# KiCad board CPU2908C.kicad_pcb (continued)
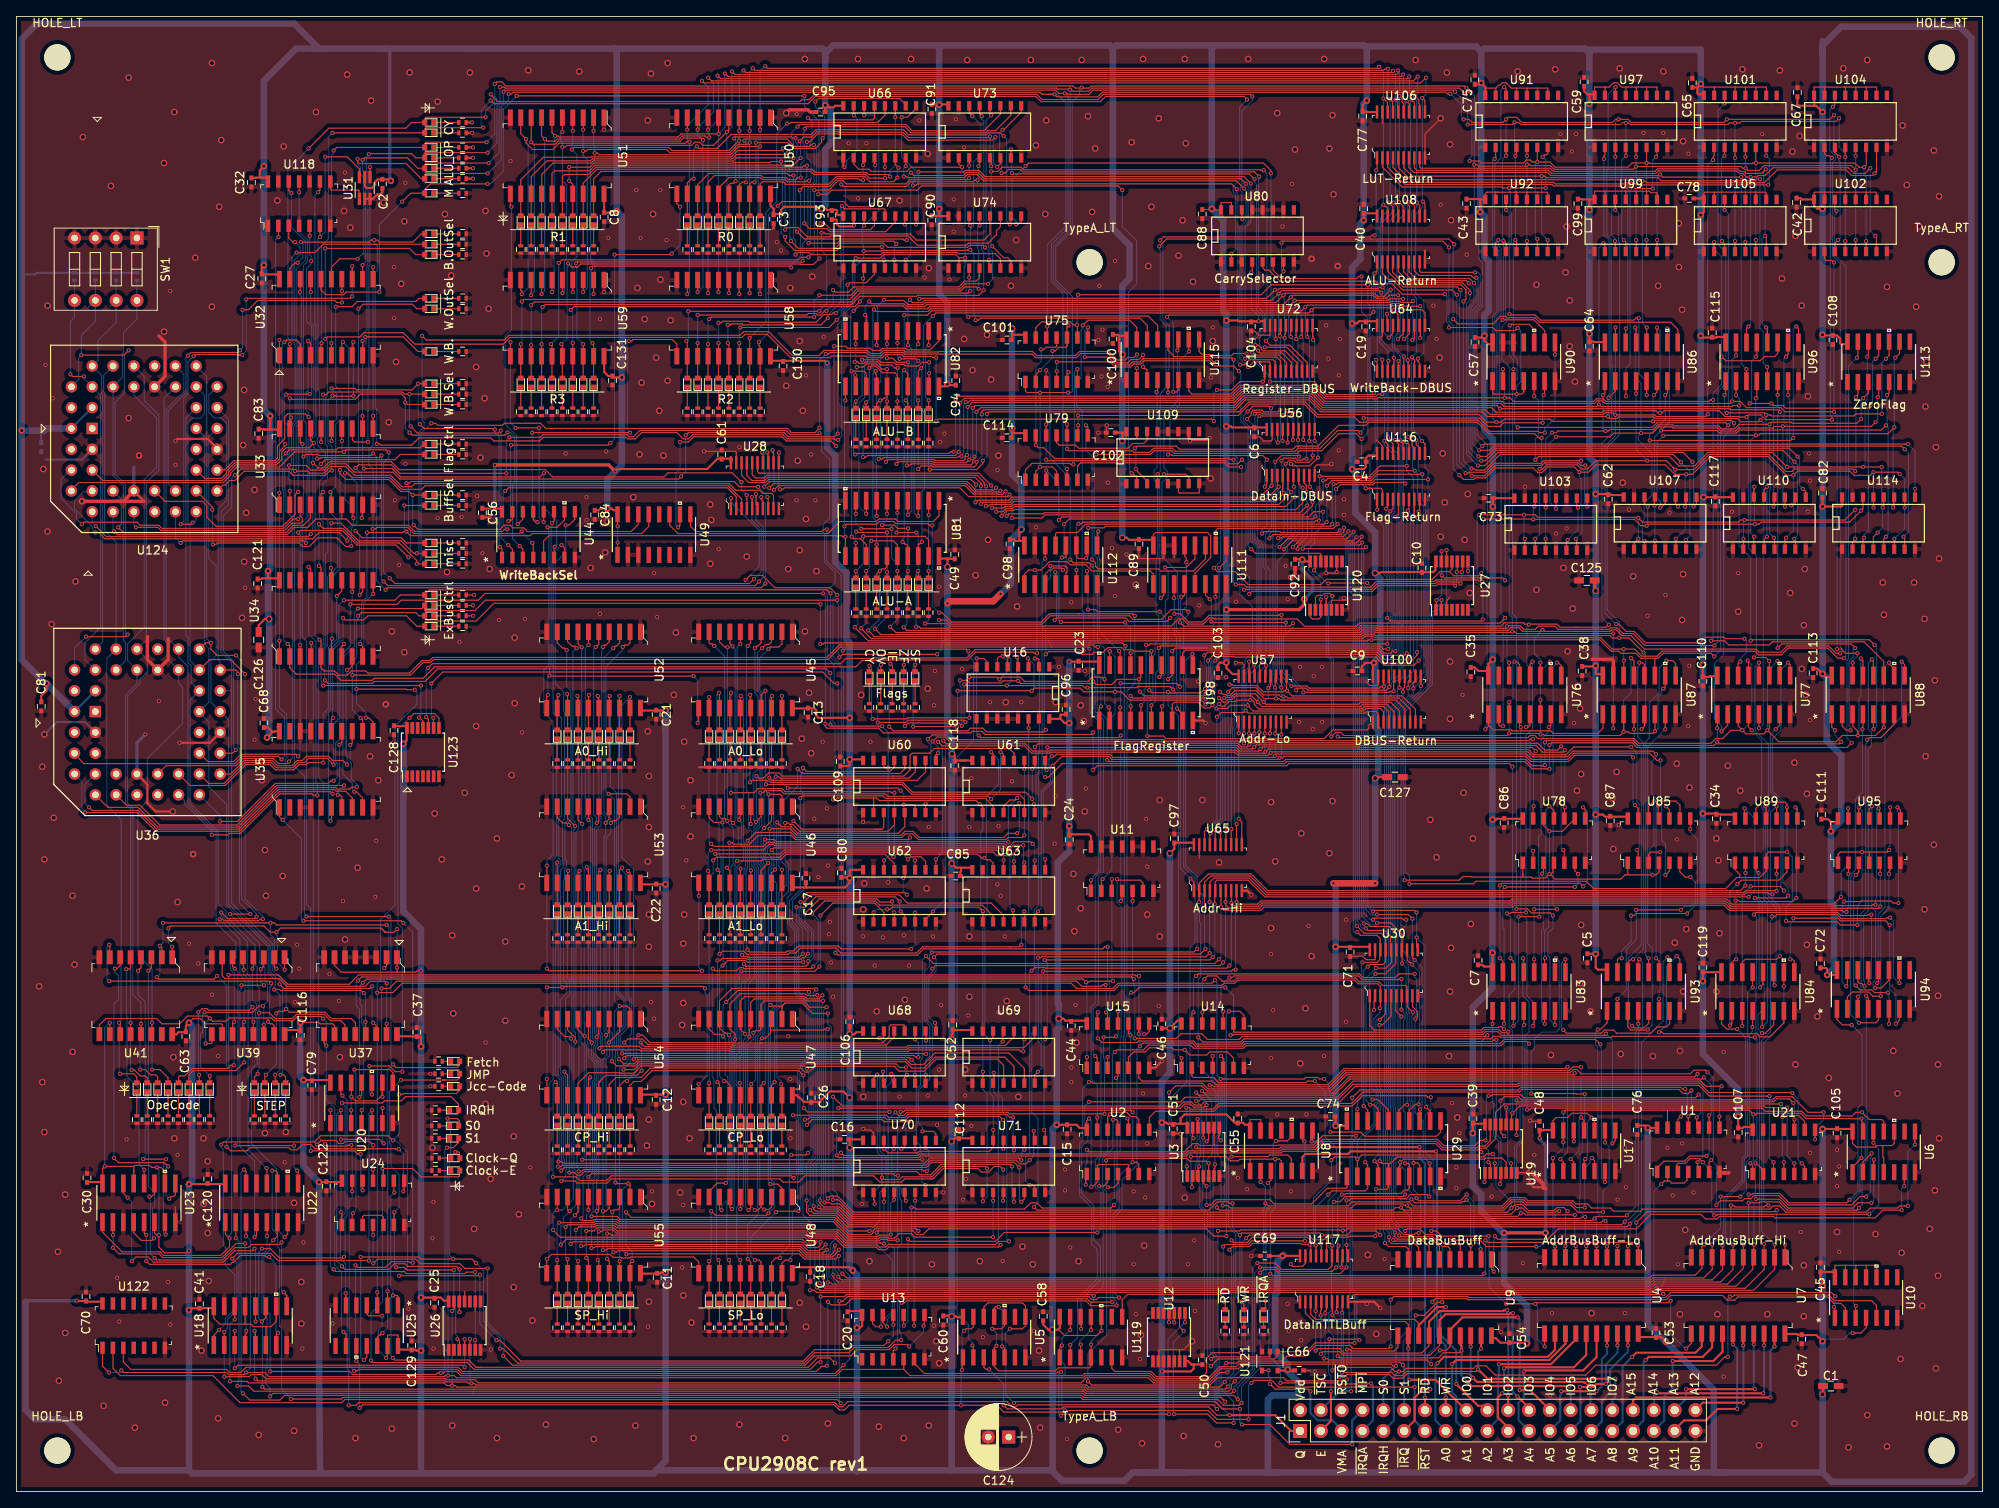
[diagram p0: board, top side]
## Routing (per net, layer and track width the routed paths; a pad name or vN(x,y) marks a point on that pad's centre or on a via; arc(x,y) is an arc through that point) (continued)
  Top w0.4: v3(157.21,108.89) 157.21,108.26 156.58,107.62 v3(147.69,107.62) ; 87.23,125.66 87.23,126.03 ; C125.1 192.65,110.04 v1(192.77,109.91) ; v2(58.4,125.28) 72.29,125.28 v2(73.09,124.47) ; v3(181.6,31.58) v3(186.64,31.58)
  Top w0.8: v2(113.65,108.39) 113.91,108.64 119.24,108.64 v2(120.13,109.53) ; v2(165.85,74.22) v2(160.77,74.22)
  Bottom w0.127: v2(46.47,63.94) v2(46.47,68.64) ; v2(11.39,57.21) 10.78,56.59 v2(10.78,39.68) ; v2(17.13,39.55) 17.38,39.3 v2(17.38,31.3) ; v2(131.19,37.2) 131.19,45.26 v2(130.92,45.52) ; v2(191.5,40.57) 191.75,40.82 191.75,45.14 v2(192.26,45.65) ; v2(119.62,17.79) 119.62,19.35 v2(119.11,19.87) ; v2(132.45,19.61) 131.18,18.34 v2(131.18,17.95) ; v2(44.64,21.45) 44.64,20.2 44.18,19.73 44.18,17.27 v2(45.13,16.31) ; v2(19.02,66.48) 18.55,66.95 v2(18.55,68.74) ; 49.39,54.66 v3(49.39,54.28) ; 134.99,128.45 v1(134.99,128.23) ; v2(32.75,63.68) 31.86,64.57 31.86,67.77 31.74,67.9 v2(31.74,68.25) ; v2(73.39,115.81) v2(73.39,117.78) ; v3(220.46,18.34) 220.71,18.6 223.03,18.6 223.79,19.36 v2(224.14,19.36) ; v2(150.73,148.77) 150.73,144.33 151.62,143.44 v2(151.62,142.8)
  Bottom w0.25: U124.43 U124.44 ; 205.85,121.34 v3(205.93,121.34) ; 165.85,101.27 v3(165.7,101.13) ; v3(3.67,98.61) 3.67,98.48 3.78,98.37 3.41,98.74 3.41,98.82 ; 98.73,169.66 v3(98.73,169.16) ; 34.66,57.33 v3(34.66,57.26) ; 101.71,49.08 v1(101.71,48.06) ; 147.69,143.06 v3(147.69,142.9) ; 1.26,23.3 1.13,23.17 ; R150.1 2.47,148.71 2.27,148.52 0.88,148.52 ; 139.94,14.79 v2(139.82,14.66) ; v1(114.2,90.01) 114.16,90.06 114.16,90.1 ; 114.16,76.13 v1(114.16,76.64) ; 185.94,43.13 185.94,43.12 v2(185.93,43.12) ; 155.18,14.66 v3(155.18,14.89) ; U36.44 U36.43 ; 2.78,129.47 3.03,129.21 C28.1
  Bottom w0.4: 186.68,34.98 186.68,32.18 186.64,32.14 v3(186.64,31.58) ; 186.68,34.98 186.68,34.6 ; 186.68,34.98 186.68,42.22 185.93,42.97 v2(185.93,43.12) ; v2(58.4,125.28) 58.4,120.32 v2(58.03,119.94) ; v3(45.71,159.95) 45.58,160.07 45.58,175.7 45.2,176.08 44.94,176.08 ; v2(7.35,23.3) 1.51,23.3 ; v3(156.96,113.72) 156.96,112.45 158.23,111.18 158.23,109.91 v3(157.21,108.89)
  Bottom w0.8: 112.64,176.2 112.89,176.46 133.46,176.46 133.84,176.08 ; 112.64,176.2 v3(112.64,169.22) 112.64,146.1 113.62,145.12 v3(113.62,135.15) ; 112.64,176.2 112.38,176.46 99.68,176.46 98.73,175.51 98.73,175 ; 178.8,175.7 v3(178.8,171.89) 178.8,161.34 178.68,161.22 v3(178.68,156.14) 179.18,155.63 179.18,150.68 179.69,150.17 179.69,144.07 179.18,143.56 v3(179.18,141.03) 179.18,129.47 180.22,128.43 v3(180.22,120.18) 180.22,101.55 v3(180.2,101.53) 180.17,101.5 v3(180.17,82) v3(180.17,65.75) 180.17,61.49 177.77,59.09 v3(177.77,43.73) 177.77,37.28 178.8,36.25 178.8,34.22 181.6,31.42 181.6,25.46 184.39,22.66 v3(184.39,18.09) ; 178.8,175.7 179.18,176.08 191.5,176.08 192.01,175.57 ; 178.8,175.7 178.17,176.33 164.58,176.33 164.45,176.46 ; 220.46,2.34 v1(220.46,11.87) v3(220.46,18.34) v3(220.46,44.25) ; 220.46,2.34 208.77,2.34 ; 220.46,2.34 221.6,1.2 237.73,1.2 238.62,2.09 238.62,177.35 237.22,178.74 222.74,178.74 220.46,176.46 v3(220.46,168.33) v3(220.46,156.52) v3(220.46,141.15) v3(220.46,99.78) 220.97,99.28 220.97,91.62 222.74,89.84 222.74,81.84 v3(221.47,80.57) 221.47,71.94 221.85,71.56 221.85,63.88 v3(221.02,63.05) ; 208.77,2.34 154.16,2.34 ; 208.77,2.34 207.25,2.34 207.19,2.4 207.19,12.44 v3(201.34,18.28) 199.12,20.5 v3(199.12,44.38) ; 154.16,2.34 137.02,2.34 ; 154.16,2.34 152.77,2.34 152.77,11.23 153.28,11.74 156.45,11.74 156.45,13.39 155.18,14.66 155.18,15.55 153.66,17.07 153.66,24.06 153.91,24.31 153.91,28.12 154.67,28.88 ; 98.73,175 v3(98.73,169.16) 99.4,168.49 99.4,164.52 98.73,163.85 98.73,156.96 ; 98.73,175 98.73,175.76 98.41,176.08 73.01,176.08 ; 133.84,176.08 133.84,154.11 135.88,152.07 135.88,148.01 134.99,147.12 v1(134.99,138.74) v1(134.99,116.39) ; 133.84,176.08 134.22,176.46 146.29,176.46 ; 137.02,2.34 142.99,2.34 ; 137.02,2.34 136.26,2.34 135.24,1.32 127.62,1.32 126.35,2.59 ; 47.23,84.89 47.23,90.61 ; 47.23,90.61 v3(47.23,91.24) ; 47.23,90.61 47.23,70.79 49.39,68.64 v3(49.39,54.28) ; 34.66,57.33 34.64,57.31 34.64,50.62 v3(35.04,50.22) 35.04,39.68 v3(36.94,37.77) 36.94,14.53 37.07,2.47 ; v1(140.8,77.88) v1(140.8,56.54) 140.8,51.08 139.82,50.1 v3(139.82,45.02) v2(139.82,14.66) 139.82,2.34 ; 37.07,2.47 37.32,2.21 49.39,2.21 ; 37.07,2.47 36.82,2.21 21.45,2.21 21.07,2.59 ; U36.44 v3(3.67,98.61) ; 98.73,156.96 98.67,156.9 ; 98.73,156.96 98.73,156.93 v3(98.28,156.49) ; 126.35,2.59 114.03,2.59 ; 126.35,2.59 126.48,2.72 v1(126.48,19.74) 126.48,44.25 v3(126.99,44.76) 126.99,56.32 127.24,56.57 v1(127.24,57.71) ; 114.03,2.59 114.16,2.72 v1(114.16,21.39) v1(114.16,42.73) v1(114.16,55.17) 114.16,91.88 113.65,92.38 v2(113.65,108.39) v1(113.65,112.83) ; 114.03,2.59 102.73,2.59 ; 192.01,175.57 192.39,175.95 205.6,175.95 v3(205.6,171.76) v3(205.6,155.76) v3(205.6,141.03) 205.6,125.84 205.93,125.52 205.93,121.41 205.85,121.34 v3(205.85,100.89) v3(205.85,82.73) v3(205.85,62.28) 205.85,53.4 210.17,49.08 v3(210.17,45.78) ; 192.01,175.57 v3(192.01,169.35) v3(192.01,156.39) v3(192.01,141.28) 192.01,126.17 192.77,125.4 v3(192.77,121.72) v1(192.77,109.91) v3(192.77,100.77) v3(192.77,82.61) v3(192.77,65.59) ; 192.01,175.57 192.01,175.95 ; v3(147.69,101.15) v3(147.69,107.62) v3(147.69,129.98) v3(147.69,142.9) 147.69,143.69 147.31,144.07 147.31,155.12 v3(145.91,156.52) 145.91,176.08 146.29,176.46 ; v1(121.53,141.91) v1(121.53,129.72) 121.53,124.13 122.67,122.99 v1(122.67,117.4) 121.4,116.13 121.4,110.8 v2(120.13,109.53) ; 3.78,98.37 0.65,101.5 0.65,129.5 ; 49.39,54.66 v3(49.39,23.68) v3(49.39,17.2) 49.39,2.21 ; 127.17,57.71 v1(127.24,57.71) ; v1(127.24,57.71) 127.24,59.49 127.11,59.62 127.11,76.76 128.51,78.16 v3(128.51,81.21) v3(128.51,93.78) v2(128.51,101.27) ; 73.01,176.08 34.15,176.08 30.21,172.14 v3(30.21,161.73) v3(30.21,149.66) 30.21,132.01 v3(30.97,131.25) 30.97,112.58 v3(30.72,112.32) 30.72,106.61 ; 73.01,176.08 73.28,175.81 v3(73.28,156.25) 73.9,155.63 v3(73.9,135.94) 73.9,125.28 v2(73.09,124.47) 72.12,123.5 72.12,119.85 ; 146.29,176.46 164.45,176.46 ; v3(21.07,57.21) 21.45,56.82 21.45,37.9 v3(21.07,37.52) v3(21.07,22.15) 21.07,2.59 ; 21.07,2.59 12.18,2.59 10.02,4.75 ; v3(161.02,44.63) v3(161.02,66.48) 161.02,73.97 v2(160.77,74.22) ; 164.45,176.46 164.83,176.08 v3(164.83,169.73) 164.45,169.35 v3(164.45,155.12) 164.05,154.72 164.05,150.4 163.04,149.39 v3(163.04,142.53) v3(163.04,124.75) 163.44,124.36 163.44,119.44 165.85,117.02 v1(165.85,112.07) 166.48,111.43 166.48,101.91 165.85,101.27 165.85,93.32 166.25,92.92 166.25,87.45 v1(165.85,87.05) v2(165.85,74.22) ; v2(98.96,137.72) 98.96,127.41 99.94,126.43 99.94,113.47 101.33,112.07 101.33,103.94 101.71,103.56 v3(101.71,94.42) v3(101.71,89.34) v3(101.71,74.86) v1(101.71,55.81) v1(101.71,41.97) 101.71,27.36 v3(102.09,26.98) 102.6,26.47 v3(102.6,19.99) 102.6,2.47 102.73,2.59 ; 79.23,92.89 79.23,93.53 ; 79.23,92.89 v3(79.23,95.31) ; 79.23,92.89 v3(79.23,74.1) v3(79.23,48.44) v3(79.23,26.72) 79.23,3.74 78.09,2.59 102.73,2.59 ; 49.39,2.21 77.84,2.21 ; v3(30.59,92) 30.85,92.26 v1(30.85,106.48) ; 10.02,4.75 5.95,8.82 2.27,8.82 1.13,9.96 1.13,23.17 ; 10.02,4.75 8.59,6.18 ; 36.94,176.08 33.9,179.12 2.53,179.12 0.65,177.25 v3(0.65,129.47) 3.41,129.47 3.67,129.72 6.59,129.72 ; 220.46,176.97 220.46,175.31
  vias: v3(112.64,156.52)
GND: length 219.1
  Top w0.127: 159.88,113.08 v2(159.88,112.07) 161.15,112.07 v2(161.15,112.2) 161.16,112.21 U120.9 ; 162.55,107.62 162.55,108.64 162.42,108.76 160.64,108.76 160.51,108.64 U120.5 ; U100.19 166.22,98.47 ; 166.22,98.47 166.22,98.56 ; 166.22,98.47 166.12,98.37 165.2,98.37 164.71,98.86 ; v2(102.22,167.95) 102.2,167.97 U66.15 ; 56.01,23.06 56.01,22.03 ; U23.8 19.4,34.71 19.38,34.73 ; C6.2 151.75,128.71 152.26,128.2 153.15,128.2 153.28,128.32 153.28,129.21 ; U65.19 144.38,78 144.38,78 144.38,77.27 ; v2(148.83,101.15) 149.59,101.15 149.85,100.89 149.85,100 ; 104.63,43.11 104.63,43.74 104.25,44.12 103.49,44.12 v2(103.36,44.25) ; 141.97,17.33 141.97,16.31 ; 141.97,17.33 142.48,17.33 v1(143.5,18.34) ; 141.97,17.33 139.43,17.33 139.43,16.44 ; C104.2 151.11,141.62 151.62,141.11 152.97,141.11 153.02,141.15 153.02,141.79 ; 133.08,129.84 133.04,129.8 C102.2 ; 162.8,65.33 164.31,65.33 164.74,64.9 165.85,64.9 165.85,65.17 165.84,65.17 U30.19 ; 54.72,24.44 54.72,23.68 ; 166.01,128.32 166.73,127.61 U116.19 ; 185.03,45.14 185.07,45.18 C48.2 ; v2(83.93,126.93) 87.74,126.93 87.87,126.8 87.87,125.66 ; 182.72,140.21 182.72,140.14 ; U109.6 141.83,121.99 141.97,121.85 144.38,121.85 144.38,122.86 ; U106.10 171.93,165.65 v1(173.85,167.57) ; v2(160.51,125.4) 160.39,125.28 158.74,125.28 158.47,125.01 U56.10 ; U117.19 157.33,27.84 156.99,27.49 155.81,27.49 v2(155.56,27.74) ; R24.1 v2(55.87,109.4) ; C66.2 157.85,14.79 157.97,14.66 ; 140.07,114.61 140.07,113.97 139.94,113.85 137.02,113.85 137.02,115.12 ; 183.25,38.92 184.26,38.92 184.64,39.3 184.64,37.65 185.15,37.14 ; 141.31,113.97 141.32,113.99 U111.14 ; R26.1 v2(55.74,106.86) ; U106.19 166.73,166.94 ; R25.1 v2(55.74,108.13) ; 166.48,140.77 166.74,141.03 166.74,141.37 166.73,141.37 U64.19 ; U108.19 166.73,154.24 ; U100.10 171.42,93.9 ; 174.99,109.15 174.61,108.77 174.61,108.48 174.58,108.45 U27.3 ; 161.78,108.13 161.71,108.21
  Top w0.25: R4.1 v2(55.74,162.74) ; U66.1 100.94,161.74 v2(101.08,161.6) ; R1.1 v2(55.61,167.06) ; 144.9,94.03 144.84,94.09 U98.10 ; 144.9,94.03 144.89,94.04 ; 144.9,94.03 v2(145.15,93.78) ; v2(19.92,91.37) 23.61,91.37 U36.22 ; 186.17,37.14 186.36,36.94 186.74,36.94 186.74,36.98 185.03,38.69 185.03,39.04 186.41,37.65 186.41,37.14 185.15,37.14 ; 146.93,38.54 147.05,38.41 ; C2.2 44.67,158.57 44.4,158.3 44.05,158.3 43.49,157.73 U31.2 ; v2(145.66,128.58) 145.4,128.32 143.37,128.32 143.1,128.59 U109.10 ; U67.15 102.2,154.51 v2(102.22,154.49) 102.1,154.37 100.44,154.37 100.12,154.68 100.12,155.12 100.04,155.21 C93.2 ; 24.62,127.18 23.36,128.45 19.67,128.45 v2(19.42,128.2) ; v2(139.81,52.51) 139.02,51.71 U15.7 ; v1(19.11,82.99) 17,82.99 15.99,84 15.99,86.29 U36.12 ; 162.53,23.16 165.73,23.16 v2(166.48,22.41) ; 57.9,118.8 57.81,118.89 C56.2 ; R5.1 v2(55.74,161.47) ; R65.1 83.36,88.38 ; 158.47,124.13 U56.10 ; R2.1 v2(55.61,165.79) ; U124.12 15.61,120.83 ; U65.10 150.23,73.33 v2(150.74,72.83) ; 92.31,154.04 92.43,154.15 C3.2 ; U108.10 171.93,151.43 ; C51.2 142.01,43.7 v2(142.1,43.62) ; R6.1 v2(55.74,160.2) ; R3.1 v2(55.74,164.01)
  Top w0.4: 208.63,38.88 207.74,38.88 209,38.88 209.03,38.92 ; 12.3,120.83 13.07,120.83 U124.12 ; 12.3,120.83 15.61,120.83 ; 12.3,120.83 v3(7.99,120.83) ; 192.35,101.53 192.39,101.57 194.77,101.57 194.93,101.4 194.93,100.39 ; v2(155.43,111.56) 155.67,111.56 156.07,111.96 C92.2 ; 18.53,104.07 18.53,101.53 U36.34 15.99,101.53 15.99,104.32 ; 97.39,168.33 96.89,168.33 96.61,168.6 94.37,168.6 v1(93.97,168.2) ; 17.38,141.03 18.15,140.26 18.15,136.07 U124.34
  Bottom w0.127: v2(101.08,161.6) 101.33,161.85 101.33,162.36 102.6,163.63 102.6,167.57 v2(102.22,167.95)
  Bottom w0.25: 6.84,125.91 6.59,125.91 ; 6.59,125.91 7.99,125.91 9.13,127.06 ; 6.59,125.91 3.54,125.91 ; v1(3.41,92.38) 4.94,93.91 8.37,93.91 U36.3
  Bottom w0.4: U124.12 14.34,125.02 ; v2(15.73,92.38) 14.72,91.37 U36.12 ; 155.68,111.31 v2(155.43,111.56)
  vias: v1(2.78,61.65) v1(3.16,88.45) v1(3.16,49.97) v1(3.29,124.77) v1(3.41,77.14) v1(3.41,43.87) v1(3.8,144.71) v1(3.8,117.15) v1(4.3,105.85) v1(4.56,82.22) v1(5.07,29.26) v1(5.19,13.52) v1(5.95,36.25) v1(5.95,19.36) v1(6.84,72.7) v1(6.84,53.65) v1(7.1,64.32) v1(7.23,111.05) v1(8.11,165.28) v1(10.65,10.47) v1(11.54,159.31) v1(13.7,172.52) v1(13.7,130.99) v1(14.46,7.8) v1(18.02,162.11) v1(18.02,141.53) v1(18.15,10.85) v1(19.16,53.01) v1(19.29,168.33) v1(19.29,43.11) v1(19.67,71.94) v1(21.83,150.55) v1(22.59,17.2) v1(22.85,43.11) v1(22.85,35.11) v1(23.35,40.31) v1(23.35,31.55) v1(23.48,25.71) v1(23.86,174.3) v1(23.86,144.58) v1(24.62,8.94) v1(24.75,156.77) v1(25.01,164.9) v1(27.55,106.61) v1(27.67,127.69) v1(27.8,134.42) v1(27.8,113.47) v1(28.05,119.44) v1(29.07,122.23) v1(29.58,6.91) v1(29.96,86.8) v1(30.34,78.29) v1(30.34,43.74) v1(30.47,72.7) v1(31.86,157.53) v1(32.5,75.11) v1(32.62,164.14) v1(32.88,43.87) v1(33.9,35.23) v1(33.9,7.42) v1(34.78,25.58) v1(34.78,20.5) v1(36.56,168.33) v1(39.48,53.01) v1(39.99,156.26) v1(40.12,67.36) v1(40.37,172.9) v1(40.75,154.23) v1(41.39,6.53) v1(41.64,76.13) v1(43.17,89.72) v1(43.29,169.73) v1(44.18,86.8) v1(44.82,157.28) v1(45.45,130.48) v1(45.83,104.96) v1(45.83,7.68) v1(46.34,137.85) v1(46.98,147.38) v1(47.36,155) v1(47.36,102.42) v1(47.99,173.16) v1(50.79,41.97) v1(51.04,82.73) v1(51.42,169.6) v1(51.93,77.14) v1(52.31,155.88) v1(52.56,112.2) v1(53.07,148.39) v1(53.2,67.87) v1(53.2,8.06) v1(53.33,58.35) v1(54.72,85.27) v1(55.36,173.16) v1(55.87,32.06) v1(56.12,137.22) v1(56.12,93.4) v1(56.12,73.59) v1(56.63,126.17) v1(57.14,133.41) v1(57.26,156.26) v1(57.26,47.3) v1(57.39,151.06) v1(57.64,144.33) v1(57.77,112.58) v1(57.9,38.16) v1(58.66,79.68) v1(58.66,6.53) v1(59.68,67.11) v1(59.68,57.46) v1(60.44,87.43) v1(60.69,43.36) v1(60.69,24.95) v1(60.82,104.19) v1(60.82,96.19) v1(61.33,33.84) v1(61.45,49.59) v1(61.71,73.84) v1(62.47,173.41) v1(62.98,20.88) v1(64.63,8.18) v1(68.69,173.28) v1(70.09,112.7) v1(70.47,6.41) v1(71.87,114.61) v1(72.12,118.42) v1(75.3,121.34) v1(75.55,8.06) v1(75.81,146.87) v1(76.06,126.55) v1(76.31,135.31) v1(76.69,143.06) v1(76.95,42.22) v1(77.08,167.31) v1(77.08,92.77) v1(77.08,76.89) v1(77.2,87.3) v1(77.2,81.08) v1(77.2,70.41) v1(77.2,66.48) v1(77.2,45.39) v1(77.2,23.17) v1(77.46,173.03) v1(77.58,35.11) v1(77.71,155.88) v1(78.09,138.36) v1(78.47,131.88) v1(78.6,147.88) v1(78.98,126.42) v1(79.49,174.3) v1(79.49,135.56) v1(79.87,142.93) v1(80.25,97.21) v1(80.5,104.83) v1(81.01,36.5) v1(81.27,56.95) v1(81.39,66.86) v1(81.39,59.62) v1(81.39,47.55) v1(81.39,23.93) v1(81.52,91.5) v1(81.52,70.41) v1(82.16,43.11) v1(82.28,86.8) v1(82.28,79.94) v1(82.41,20.63) v1(82.66,6.53) v1(84.69,120.45) v1(84.69,113.21) v1(84.82,118.55) v1(88.25,8.18) v1(89.14,114.1) v1(93.84,6.53) v1(93.97,134.93) v1(94.22,112.58) v1(94.47,146.87) v1(95.36,125.78) v1(95.62,140.39) v1(95.62,114.86) v1(95.62,23.04) v1(95.87,91.88) v1(96,131.88) v1(96.25,174.81) v1(96.25,104.96) v1(96.38,118.67) v1(96.38,20.12) v1(96.76,97.46) v1(97.01,90.1) v1(97.14,148.26) v1(97.65,112.32) v1(99.05,8.31) v1(102.73,174.81) v1(103.11,97.21) v1(103.36,71.05) v1(103.36,48.19) v1(103.49,74.22) v1(104.13,28.12) v1(105.02,58.6) v1(105.27,7.93) v1(107.81,157.53) v1(108.32,6.53) v1(108.44,60) v1(109.21,174.81) v1(111.11,73.59) v1(111.24,163.25) v1(111.24,97.97) v1(111.36,149.28) v1(111.36,8.06) v1(111.75,27.74) v1(112.25,18.34) v1(112.64,15.68) v1(114.92,118.17) v1(115.68,140.64) v1(115.81,51.49) v1(116.06,174.68) v1(116.32,67.75) v1(116.32,60.38) v1(116.44,7.68) v1(116.7,136.83) v1(117.08,111.81) v1(117.59,28.12) v1(118.48,141.15) v1(118.6,116.13) v1(118.99,135.69) v1(119.87,126.42) v1(120.76,96.32) v1(120.89,59.87) v1(121.4,147.12) v1(122.03,152.71) v1(122.16,108) v1(122.29,48.19) v1(122.79,29.9) v1(123.81,174.68) v1(124.06,27.74) v1(124.45,164.27) v1(124.83,17.2) v1(124.95,7.8) v1(125.59,155.88) v1(125.72,167.31) v1(126.86,96.32) v1(129.02,75.37) v1(129.15,68.38) v1(129.4,54.79) v1(129.65,28.12) v1(129.91,95.94) v1(129.91,71.17) v1(130.03,174.68) v1(130.29,94.03) v1(130.41,82.99) v1(130.8,167.82) v1(131.3,156.14) v1(131.69,163.88) v1(134.48,7.55) v1(136.13,164.65) v1(136.64,110.67) v1(137.27,19.1) v1(137.4,5.9) v1(137.53,174.81) v1(137.65,30.03) v1(138.03,70.41) v1(138.16,149.53) v1(138.54,156.77) v1(139.43,167.57) v1(139.56,84.38) v1(139.56,67.75) v1(141.84,150.8) v1(142.35,155.12) v1(142.48,6.79) v1(142.61,174.81) v1(142.61,35.87) v1(142.73,164.52) v1(143.62,147.63) v1(144.77,84.38) v1(145.78,123.63) v1(146.04,140.39) v1(146.67,5.77) v1(146.8,76.76) v1(150.35,174.81) v1(153.15,84.13) v1(153.15,68.76) v1(153.66,76.89) v1(153.91,168.2) v1(156.07,163.76) v1(156.7,52.25) v1(156.83,80.32) v1(157.34,58.98) v1(158.1,65.33) v1(159.62,174.81) v1(160.26,163.88) v1(160.26,77.91) v1(160.64,167.95) v1(160.64,84.26) v1(160.77,158.3) v1(164.96,28.88) v1(165.97,19.23) v1(170.8,174.68) v1(172.58,81.97) v1(173.34,77.4) v1(173.72,138.36) v1(173.85,116.51) v1(174.1,126.67) v1(174.36,120.7) v1(174.61,173.16) v1(174.87,53.14) v1(174.99,164.39) v1(174.99,101.27) v1(174.99,94.29) v1(174.99,61.01) v1(175.12,155.12) v1(175.12,66.35) v1(175.88,45.65) v1(176.64,85.27) v1(176.77,116.13) v1(177.15,121.72) v1(177.41,109.66) v1(177.53,69.27) v1(177.79,79.68) v1(183.25,173.28) v1(185.53,147.25) v1(185.53,110.04) v1(187.31,53.27) v1(187.82,173.54) v1(188.84,112.7) v1(189.09,148.77) v1(189.22,154.36) v1(189.34,102.54) v1(189.6,145.34) v1(189.6,139.75) v1(189.98,107.75) v1(190.23,135.44) v1(190.49,98.23) v1(190.49,85.53) v1(190.87,95.56) v1(190.87,62.03) v1(190.99,87.56) v1(190.99,69.14) v1(192.14,58.6) v1(192.26,21.77) v1(194.8,84.64) v1(194.93,78.41) v1(195.31,87.81) v1(195.69,173.66) v1(195.82,53.4) v1(196.07,123.12) v1(197.34,111.69) v1(199.76,53.14) v1(200.39,147.12) v1(201.03,173.28) v1(202.42,66.98) v1(202.68,88.83) v1(202.93,154.74) v1(202.93,149.41) v1(203.06,53.78) v1(203.06,21.65) v1(203.31,144.2) v1(203.31,106.35) v1(203.44,164.77) v1(203.44,111.94) v1(203.44,61.01) v1(203.69,31.93) v1(203.82,68.64) v1(204.2,96.7) v1(204.2,85.91) v1(207.5,79.68) v1(207.5,61.01) v1(207.63,21.65) v1(207.76,77.02) v1(207.88,68.13) v1(208.9,88.57) v1(210.17,107.37) v1(210.43,85.53) v1(210.68,173.54) v1(212.71,5.64) v1(213.73,21.65) v1(215.25,173.41) v1(215.5,148.01) v1(216.52,109.66) v1(216.78,163.5) v1(217.03,88.95) v1(217.03,8.31) v1(217.16,153.22) v1(217.16,52.12) v1(217.41,15.17) v1(217.66,165.41) v1(217.92,144.71) v1(217.92,100.39) v1(218.17,105.72) v1(218.17,27.61) v1(218.17,21.39) v1(218.3,112.58) v1(218.43,97.21) v1(218.55,85.14) v1(218.55,66.73) v1(218.68,133.66) v1(219.82,57.97) v1(221.22,50.47) v1(222.24,31.68) v1(223,173.66) v1(223.63,5.39) v1(225.92,174.68) v1(225.92,9.33) v1(226.94,31.42) v1(227.82,110.93) v1(227.95,106.99) v1(228.33,146.99) v1(228.33,5.52) v1(229.09,53.78) v1(229.6,48.57) v1(229.98,16.18) v1(230.11,29.14) v1(230.24,166.68) v1(230.75,159.44) v1(231.63,110.93) v1(231.89,144.58) v1(232.27,154.36) v1(232.65,22.66) v1(232.9,106.48) v1(232.9,71.05) v1(233.03,132.39) v1(233.03,89.72) v1(233.16,137.85) v1(233.54,32.06) v1(234.05,163.63) v1(234.05,78.92) v1(234.17,98.99) v1(234.17,36.76) v1(234.3,127.44) v1(234.3,15.04) v1(234.56,60.51) v1(234.56,52.12) v1(234.56,26.34) v1(234.68,158.04) v1(234.68,113.85) v1(234.68,43.11) v2(3.54,137.47) v2(4.43,133.41) v2(12.3,26.09) v2(12.56,20.76) v2(13.45,42.98) v2(17.38,96.45) v2(18.53,25.58) v2(18.78,146.49) v2(18.78,20.38) v2(19.42,125.28) v2(19.67,41.08) v2(21.07,66.86) v2(22.21,64.44) v2(23.86,60.63) v2(24.62,53.14) v2(27.93,110.29) v2(29.07,91.75) v2(29.2,96.7) v2(32.75,40.19) v2(34.02,59.75) v2(34.28,66.73) v2(34.53,63.81) v2(34.91,17.45) v2(35.04,30.41) v2(38.21,63.17) v2(38.59,20.5) v2(39.36,78.41) v2(39.36,59.87) v2(39.86,72.06) v2(40.12,160.96) v2(43.8,72.57) v2(43.93,79.43) v2(46.09,149.41) v2(46.09,143.18) v2(46.21,120.96) v2(46.72,113.08) v2(47.48,159.69) v2(47.48,125.4) v2(47.87,22.28) v2(50.53,50.98) v2(50.53,49.46) v2(50.79,30.92) v2(50.91,35.36) v2(50.91,17.45) v2(51.17,24.82) v2(51.29,19.1) v2(51.42,118.8) v2(54.09,103.69) v2(54.34,118.93) v2(56.25,121.47) v2(56.88,114.48) v2(57.26,54.79) v2(57.9,17.33) v2(58.91,106.35) v2(60.31,162.36) v2(61.71,92.64) v2(62.09,106.48) v2(62.72,39.55) v2(62.98,112.2) v2(67.04,126.67) v2(69.58,121.34) v2(69.58,118.55) v2(71.23,143.06) v2(71.23,107.12) v2(71.74,166.17) v2(71.74,146.36) v2(72,126.93) v2(72.25,152.96) v2(75.68,158.81) v2(76.19,152.96) v2(77.08,20.12) v2(77.46,59.75) v2(77.58,36.63) v2(77.84,112.07) v2(77.84,57.71) v2(78.22,106.73) v2(78.6,158.81) v2(79.36,152.71) v2(81.27,27.36) v2(81.39,83.49) v2(81.39,34.98) v2(81.77,77.02) v2(85.71,114.99) v2(88.25,127.44) v2(92.82,152.45) v2(93.33,151.44) v2(94.22,55.55) v2(94.47,50.35) v2(94.47,43.11) v2(95.24,168.08) v2(95.24,120.96) v2(96.38,136.2) v2(97.01,126.55) v2(97.39,82.1) v2(97.52,120.96) v2(97.9,74.98) v2(98.41,91.5) v2(98.54,140.9) v2(98.92,83.37) v2(99.05,76.38) v2(99.17,68) v2(99.3,69.52) v2(99.43,64.57) v2(99.68,60.38) v2(101.59,164.52) v2(102.73,157.79) v2(103.24,35.11) v2(103.36,81.72) v2(103.36,67.75) v2(103.75,164.52) v2(104.25,91.5) v2(104.76,64.19) v2(105.78,67.62) v2(106.41,74.35) v2(107.43,91.24) v2(107.68,58.35) v2(107.81,48.19) v2(108.32,67.87) v2(108.95,64.19) v2(110.22,167.31) v2(110.86,148.14) v2(111.11,157.66) v2(111.24,48.31) v2(111.36,81.08) v2(111.87,67.75) v2(112,95.94) v2(112,20.25) v2(112.13,100.13) v2(112.38,44.76) v2(112.64,110.42) v2(112.64,51.49) v2(112.76,128.07) v2(112.89,59.36) v2(113.14,36.5) v2(113.27,129.09) v2(113.91,147.88) v2(114.41,157.66) v2(114.41,153.72) v2(114.67,167.44) v2(115.43,100.39) v2(115.56,35.62) v2(115.68,164.01) v2(115.81,48.31) v2(115.94,73.46) v2(115.94,38.16) v2(116.19,58.09) v2(116.32,81.08) v2(116.57,87.05) v2(116.57,44.63) v2(117.97,18.85) v2(118.86,96.32) v2(119.75,124.64) v2(119.75,74.1) v2(119.87,81.21) v2(119.87,58.47) v2(120.13,72.7) v2(120.38,28.12) v2(120.64,67.75) v2(121.53,86.67) v2(122.03,58.47) v2(122.67,96.32) v2(124.19,19.61) v2(124.45,117.66) v2(126.73,79.05) v2(126.86,84.89) v2(127.24,100.64) v2(128,39.3) v2(128,36.76) v2(128.26,42.35) v2(128.26,6.41) v2(128.64,29.77) v2(128.76,108.51) v2(128.76,51.74) v2(128.76,49.97) v2(129.27,59.36) v2(130.41,100.13) v2(130.54,85.78) v2(132.07,140.52) v2(132.07,129.21) v2(132.19,147.12) v2(132.45,136.07) v2(132.57,141.79) v2(133.08,130.1) v2(133.21,134.8) v2(133.21,123.12) v2(133.72,115.12) v2(134.1,150.17) v2(134.1,109.28) v2(135.5,114.36) v2(136.38,36.63) v2(136.38,27.74) v2(136.64,21.65) v2(137.15,16.18) v2(137.53,48.57) v2(137.78,35.87) v2(137.91,82.1) v2(138.03,76.25) v2(138.03,42.47) v2(139.43,59.24) v2(142.99,27.74) v2(143.24,128.2) v2(143.75,30.66) v2(143.88,22.03) v2(144.26,98.86) v2(144.38,108.13) v2(145.78,135.94) v2(146.04,142.04) v2(147.69,99.37) v2(148.89,108.58) v2(149.08,38.28) v2(150.23,36.88) v2(150.74,28.76) v2(153.15,65.59) v2(153.15,52.89) v2(153.4,58.73) v2(153.91,46.03) v2(154.54,154.36) v2(154.93,112.96) v2(155.18,108.89) v2(155.18,22.91) v2(155.31,19.61) v2(155.56,36.63) v2(155.69,159.57) v2(156.58,93.91) v2(156.58,20.63) v2(156.7,100.64) v2(156.83,18.47) v2(157.47,46.03) v2(157.72,69.02) v2(158.23,93.02) v2(158.35,99.5) v2(158.48,14.66) v2(159.37,100.64) v2(159.37,93.91) v2(159.62,53.14) v2(159.88,142.3) v2(160.13,138.23) v2(161.4,136.2) v2(161.4,127.06) v2(161.53,140.64) v2(162.04,121.09) v2(162.04,119.18) v2(162.04,109.02) v2(162.29,69.78) v2(162.29,57.33) v2(164.83,22.91) v2(166.99,28.38) v2(172.96,144.71) v2(173.34,140.64) v2(173.47,134.93) v2(173.85,157.03) v2(175.25,47.43) v2(175.75,39.55) v2(175.75,37.01) v2(176.13,43.74) v2(176.52,97.21) v2(177.02,150.93) v2(180.07,36) v2(181.22,19.49) v2(183.88,27.87) v2(184.14,122.61) v2(184.77,45.27) v2(185.03,37.9) v2(185.28,41.08) v2(187.18,11.74) v2(187.44,21.77) v2(187.95,116.89) v2(188.45,165.66) v2(189.22,122.74) v2(189.22,117.53) v2(189.85,163.5) v2(190.1,93.78) v2(190.36,165.66) v2(191.38,102.67) v2(195.44,35.62) v2(195.57,81.33) v2(196.33,41.97) v2(196.33,21.77) v2(196.46,37.14) v2(196.84,119.82) v2(198.61,165.79) v2(199.12,106.86) v2(199.88,14.28) v2(201.03,165.79) v2(201.28,109.4) v2(201.53,41.97) v2(201.66,122.99) v2(201.79,119.44) v2(202.17,36.12) v2(202.68,79.56) v2(202.81,27.74) v2(203.31,42.47) v2(204.07,163.25) v2(204.07,93.4) v2(204.2,100.77) v2(204.71,36.5) v2(208.39,53.65) v2(208.39,14.03) v2(209.41,119.56) v2(210.17,112.07) v2(213.09,165.66) v2(217.79,31.68) v2(218.68,119.56) v2(218.81,126.67) v2(218.93,123.37) v2(218.93,94.16) v2(218.93,41.33) v2(222.24,41.71) v2(222.24,37.27) v2(222.49,39.68) v2(222.49,29.26) v3(14.97,126.42) v3(21.58,77.78) v3(45.07,96.07) v3(158.1,150.42) v3(161.28,149.53)
